# Altium PCB DC_DC.PcbDoc (continued)
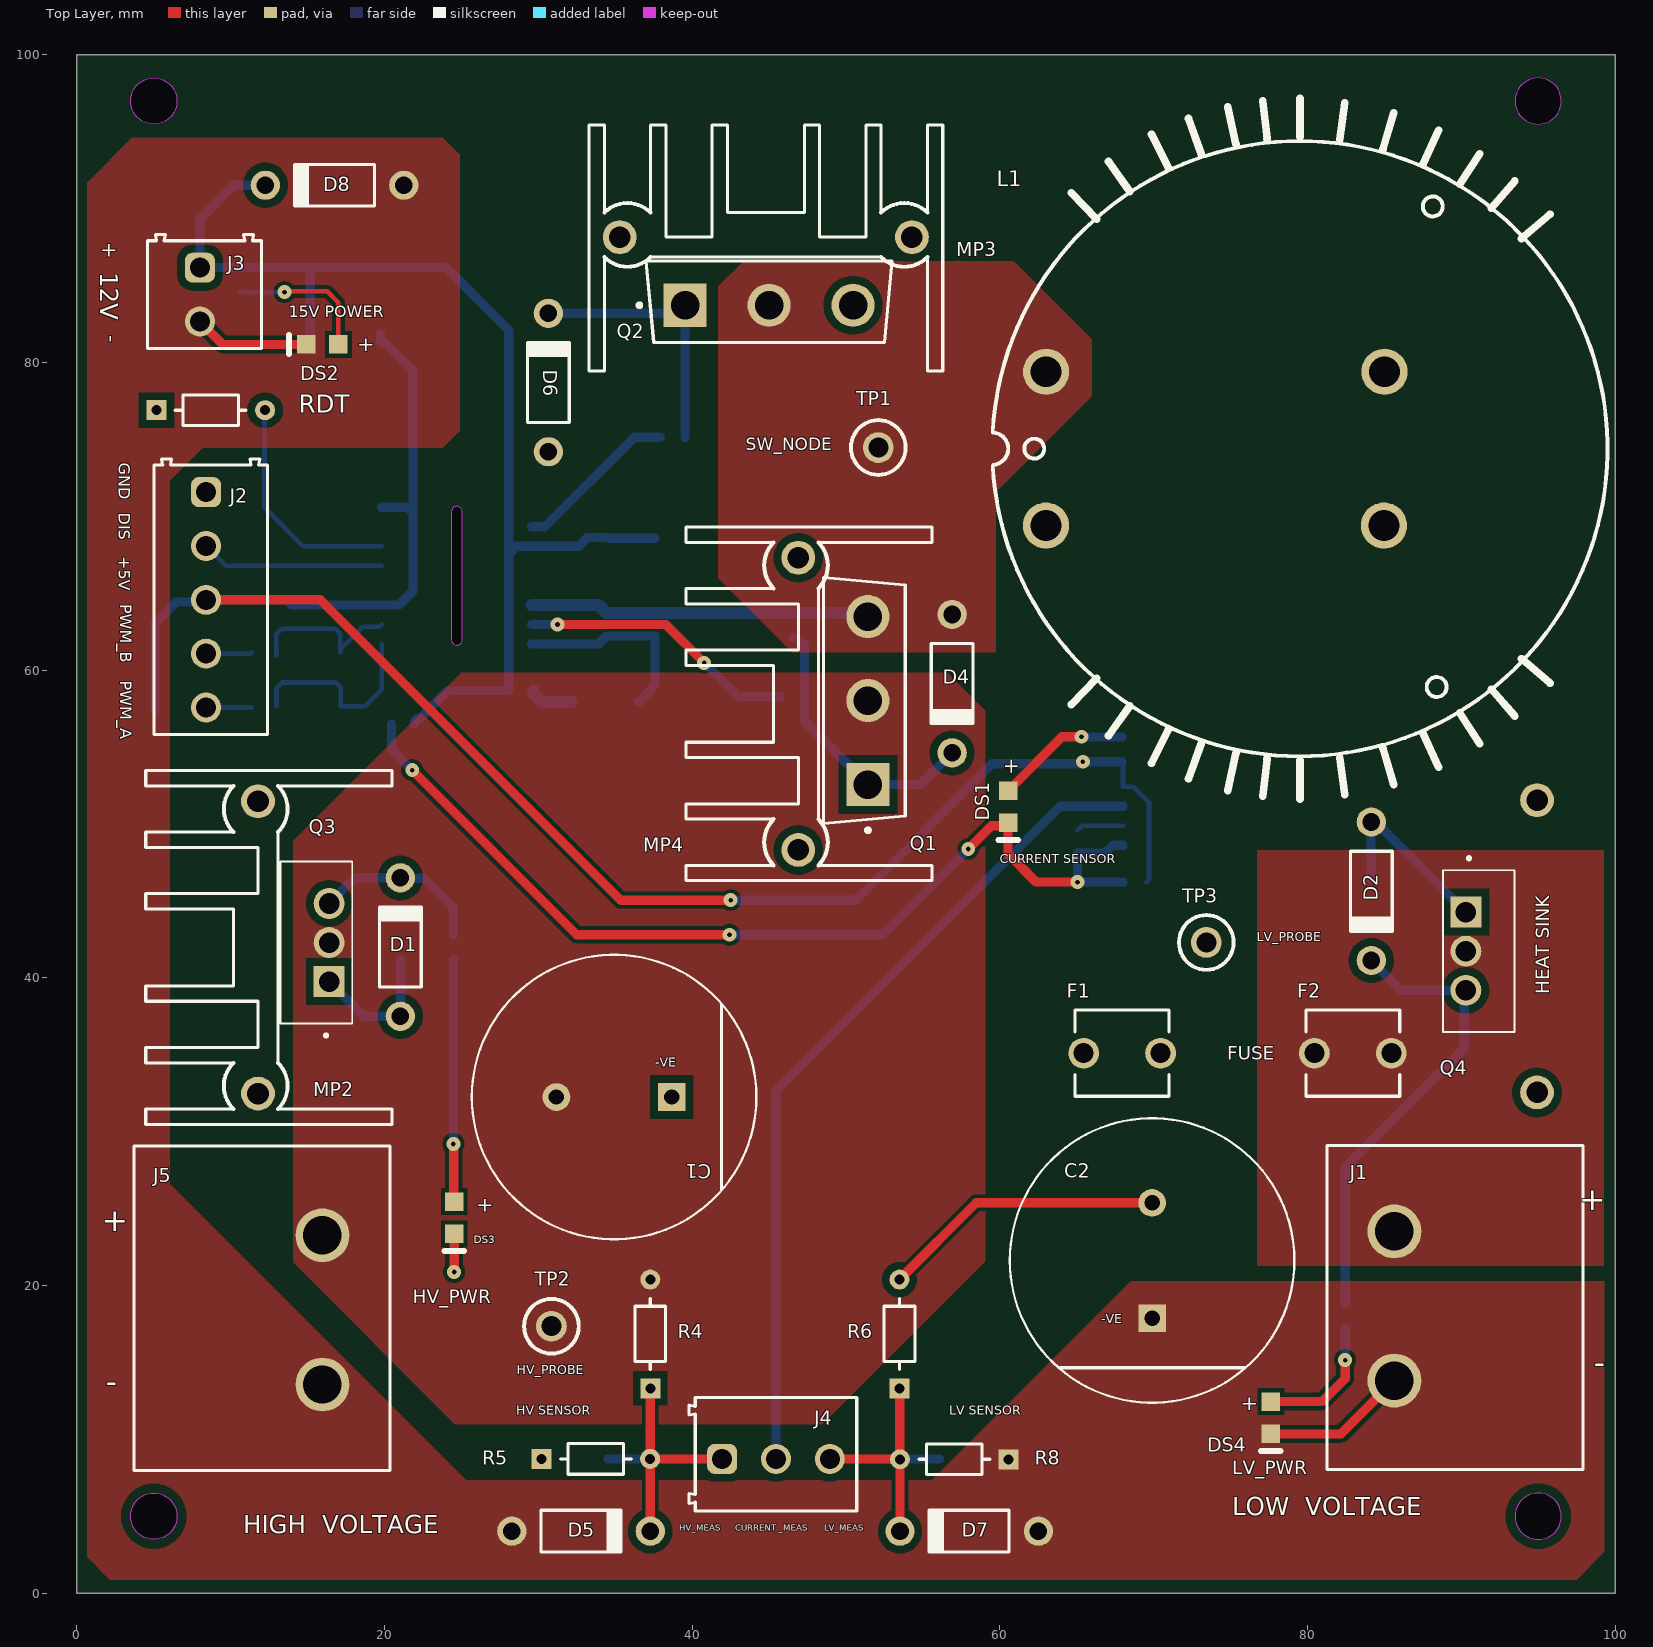
[diagram p0: Top Layer view]
## Components (designator, comment, footprint, x,y, rotation, side; value= is the part's Value field where it differs from the comment) (continued)
R9 "47K" FP-RC0805-0_6-IPC_C 38.725,78.325 r0 bottom
R10 "2.2K" FP-RC0805-0_6-IPC_C 67.95,54.85 r270 bottom
R11 "120" FP-RC0805-0_6-IPC_C 28.877,58.675 r180 bottom
R12 "120" FP-RC0805-0_6-IPC_C 12.175,61.175 r0 bottom
R13 "120" FP-RC0805-0_6-IPC_C 12.175,57.575 r0 bottom
R14 "7.5k" FP-RC0805-0_6-IPC_C 82.45,18.025 r90 bottom
R15 "47K" FP-RC0805-0_6-IPC_C 21.075,42 r270 bottom
R16 "47K" FP-RC0805-0_6-IPC_C 84.1,45.527 r90 bottom
R18 "7.k" FP-RC0805-0_6-IPC_C 10.8,85.375 r90 bottom
RDT "200K" PCBComponent_1#7 8.7,76.9 r0 top
TP1 "SW_NODE" PCBComponent_1#8 52.1,74.475 r0 top
TP2 "HV" PCBComponent_1#8 30.85,17.35 r0 top
TP3 "LV" PCBComponent_1#8 73.425,42.3 r0 top
U1 "ACS712ELCTR-30A-T" FP-LC-8-IPC_C 70.325,50.525 r180 bottom
U2 "UCC21520DW" FP-DW0016B-MFG 24.691,66.146 r0 bottom
U3 "L78M05CDT-TR" TO-252_L 17.45,77.65 r270 bottom

## Footprints (in the part's own frame and the unit in brackets; to place one, negate y for a bottom-side part, rotate by r counter-clockwise, add the part's x,y. Pads: shape width x height; smd on the part's side, far side on the other; paste and mask are expansions set on the pad)
691214110002 [mm] "3.50 mm Horizontal Entry Modular, 2p"
  rrect50% 1.95x1.95 hole 1.3: 1(-1.75,-0.3)
  round 1.95 hole 1.3: 2(1.75,-0.3)
  silkscreen extent -3.9,-3.7 3.5,3.7, body extent -3.95,-3.7 3.5,3.7, height 8.55
AVAG-HSMX-C170_V [mm] "SMD, 2-Leads, Body 2x1.25mm, Height 0.8mm"
  rect 1.2x1.2 smd: 1(-1.05,0) 2(1.05,0)
  silkscreen extent 2.15,-0.63 2.15,0.63, body extent -1,-0.63 1,0.63, height 0.8
DIOM4336X265N [mm]
  rect 2.28x2.12 smd: A(2.165,0) C(-2.165,0)
  silkscreen extent -4.1,-1.81 2.16,1.81, body extent -2.67,-1.81 2.67,1.81, height 2.65
FAIR-DO-41-2_V [mm] "2-Leads, Axial leaded, Body 2.72x5.2mm, Pin Spacing 9mm"
  round 1.9 hole 1.15: 1(-4.5,0) 2(4.5,0)
  silkscreen extent -2.6,-1.36 2.6,1.36, body extent -4.93,-1.36 4.93,1.36, height 2.71
FP-0751_0110-MFG [mm]
  round 2 hole 1.3 paste-2539.97 mask+0: 1(-2.5,0) 1(2.5,0)
  silkscreen extent -3.05,-2.8 3.05,2.8, body extent -3.6,-2.9 3.6,2.9, height 0.25
FP-C0805C-DN-MFG [mm]
  rect 0.95x1.35 smd paste+0 mask+0: 1(-0.75,0) 2(0.75,0)
  silkscreen extent -1.1,-1.07 1.1,1.07, body extent -1,-0.63 1,0.63, height 0.88
FP-DW0016B-MFG [mm]
  rrect17% 1.65x0.6 smd paste+0 mask+0: 1(-4.875,4.445) 2(-4.875,3.175) 3(-4.875,1.905) 4(-4.875,0.635) 5(-4.875,-0.635) 6(-4.875,-1.905) 7(-4.875,-3.175) 8(-4.875,-4.445) 9(4.875,-4.445) 10(4.875,-3.175) 11(4.875,-1.905) 12(4.875,-0.635) 13(4.875,0.635) 14(4.875,1.905) 15(4.875,3.175) 16(4.875,4.445)
  silkscreen extent -6.37,-5.25 3.5,5.25, body extent -5.15,-5.15 5.15,5.15, height 2.65
FP-LC-8-IPC_C [mm]
  rect 1.874x0.542 smd paste+0 mask+0: 1(-2.316,1.905)
  rrect100% 1.874x0.542 smd paste+0 mask+0: 2(-2.316,0.635) 3(-2.316,-0.635) 4(-2.316,-1.905) 5(2.316,-1.905) 6(2.316,-0.635) 7(2.316,0.635) 8(2.316,1.905)
  silkscreen extent -3.98,-2.45 0.88,2.45, body extent -3,-2.45 3,2.45, height 1.75
FP-PG-TO247-3-MFG [mm]
  rect 2.8x2.8 hole 1.85 paste-2539.97 mask+0: 1(-0.228,5.46)
  round 2.8 hole 1.85 paste-2539.97 mask+0: 2(-0.228,0) 3(-0.228,-5.46)
  silkscreen extent -2.66,-8 2.66,8.56, body extent -2.76,-8.16 2.76,8.16, height 0.25
FP-RAD-TH-D_18_0_5-L_31_5-MFG [mm]
  rect 1.8x1.8 hole 1 paste-2539.97 mask+0: 1(-3.75,0)
  round 1.8 hole 1 paste-2539.97 mask+0: 2(3.75,0)
  silkscreen extent -9.25,-9.25 9.25,9.25, body extent -9.35,-9.35 9.35,9.35, height 0.25
FP-RC0805-0_6-IPC_C [mm]
  rect 0.808x1.262 smd paste+0 mask+0: 1(-0.802,0) 2(0.802,0)
  silkscreen extent -1.21,-1.07 1.21,1.07, body extent -1,-0.63 1,0.63, height 0.6
PCBComponent_1#1 [mm]
  round 3.5 hole 2.5: 1(-4.85,0) 2(4.85,0)
  silkscreen extent -10.64,-12.25 10.44,4.38, body extent -10.61,-12.12 10.44,4.38, height 18.5
PCBComponent_1#2 [mm]
  rrect50% 1.95x1.95 hole 1.3: 1(-7,0)
  round 1.95 hole 1.3: 2(-3.5,0) 3(0,0) 4(3.5,0) 5(7,0)
  silkscreen extent -9.15,-3.4 8.75,4, body extent -8.76,-3.34 8.74,3.56, height 8.8
PCBComponent_1#3 [mm]
  rrect50% 1.95x1.95 hole 1.3: 1(-3.5,0)
  round 1.95 hole 1.3: 2(0,0) 3(3.5,0)
  silkscreen extent -5.65,-3.4 5.25,4, body extent -5.25,-3.23 5.25,3.67, height 8.8
PCBComponent_1#4 [mm]
  round 3 hole 2: 1(5,16.5) 2(5,-5.5) 3(-5,-5.461) 4(-5,16.51)
  silkscreen extent -22.77,-20 22.77,19.97, body extent -19,-19 19,18.97, height 19.29
PCBComponent_1#5 [mm]
  round 2.2 hole 1.4: 1(-9.5,0.7) 2(9.5,0.7)
  silkscreen extent -11.5,-8 11.5,8
PCBComponent_1#6 [mm]
  rect 2.01x2.01 hole 1.34: 1(-2.548,0.051)
  round 2.01 hole 1.34: 2(-0.008,0.051) 3(2.532,0.051)
  silkscreen extent -6.15,-1.45 5.25,3.21, body extent -5.18,-1.32 5.23,3.12, height 19.3
PCBComponent_1#7 [mm]
  rect 1.3x1.3 hole 0.65 paste-2539.97 mask+0: 1(-3.534,0)
  round 1.3 hole 0.65 paste-2539.97 mask+0: 2(3.534,0)
  silkscreen extent -2.3,-1 2.3,1, body extent -3.96,-1.1 3.96,1.1, height 0.25
PCBComponent_1#8 [mm]
  round 2 hole 1.3: 1(0,0)
  silkscreen extent -1.78,-1.78 1.78,1.78, body extent -1.15,-1.15 1.15,1.15, height 5
TO-252_L [mm] "D-PAK, 4-Leads, Body 6.1x6.5mm, Pitch 2.28mm, Lead Span 9.7mm, IPC High Density"
  rect 1.8x0.9 smd: 1(-4.2,2.28) 3(-4.2,-2.28)
  rect 6.2x5.45 smd: 4(2,0)
  silkscreen extent -4.32,-3.3 -1.5,3.4, body extent -2.05,-3.3 4.15,3.3, height 2.4

## Part data
C1 C2: library part CMP-05427-000720-1, "Aluminum Electrolytic Capacitors (Radial Lead Type) 330uF ±20% 160V", Capacitance=330uF, Case/Package=Radial, Leakage Current=3.178mA, Max Operating Temperature=105°C, Min Operating Temperature=-25°C, Package Quantity=50, Ripple Current=2.6A, Tolerance=20%, Voltage=160V, Construction=RADIAL, Contact Plating=Tin, Diameter=18mm, Dissipation Factor=0.15%, Height=31.5mm, Height - Seated (Max)=1.319inch, Lead Diameter=0.8mm, Lead Free="Lead Free", Lead Pitch=7.5mm, Length=31.5mm, Life (Hours)=10000Hour, Mount="Through Hole", Number of Pins=2, Packaging=Bulk, Polarity=Polar, Radiation Hardening=No, REACH SVHC="No SVHC", Ripple Current (AC)=2.6A, RoHS Compliant=Yes, Series=EE, Termination=Radial, Voltage Rating=160V, Voltage Rating (DC)=160V, Weight=0.01lb, Width=0.5inch
C3 C4 C5 C6 C7 C8 C9 C10 C11 C12 C13 C14 C15 C16 C17: library part CMP-1036-04552-2, "CAP CER 0.22UF 50V X7R 0805", Capacitance="0.22 μF", Manufacturer=KEMET, Manufacturer Part Number=C0805C224K5RACTU, Package=C0805C-DN, Temperature="-55°C to +125°C", Temperature Characteristic=X7R, Temperature Coefficient=30ppm/°C, Temperature Range High=+125°C, Temperature Range Low=-55°C, Tolerance=0.1, Voltage Rating="50 V", Automotive=No, Category=Cap, ComponentLink2Description=Datasheet, ComponentLink2URL=https://content.kemet.com/datasheets/KEM_C1003_C0G_SMD.pdf, Device Class L1="Passive Components", Device Class L2=Capacitors, Device Class L3="Ceramic Capacitors", Digikey Description="CAP CER 0.22UF 50V X7R 0805", Height=0.88mm, Ipc Land Pattern Name=CAPC200125X78, Lead Free=Yes, Material=Ceramic, Mouser Description="CAP CER 0.22UF 50V X7R 0805", Octopart=https://octopart.com/c0805c224k5ractu-kemet-144670, RoHS=TRUE
D1 D2 D4 D6 D8: library part CMP-0892-00005-1, "Zener Diode, 15V, 1W, 5%, -65 to 200 degC, 2-Pin DO-41, Body 2.72 x 5.2 mm, RoHS", Manufacturer="Fairchild Semiconductor", Operating and Storage Temperature Range="-65 to 200 degC", Test Current IZ (mA)=17, Tolerance=5%, ComponentLink1Description="Manufacturer URL", ComponentLink1URL=http://www.fairchildsemi.com/, ComponentLink2Description=Datasheet, ComponentLink2URL=http://www.fairchildsemi.com/ds/1N/1N4744A.pdf, ComponentLink3Description="Package Specification", ComponentLink3URL=http://www.fairchildsemi.com/dwg/DO/DO41A.pdf, DatasheetVersion="Rev. H3", IR (uA)=5, Mounting Technology="Through Hole", PackageDescription="2-Pin Axial leaded, Body 2.72 x 5.2 mm, Lead Spread 25.4 mm", PackageReference=DO-41-2, PackageVersion="Rev. 2", PartNumber=1N4744A, PD (W)=1, RoHS=TRUE, VZ (Max.) (V)=15.75, VZ (Min.) (V)=14.25, ZZ (Max) (ohm)=10
D3: Package=None, Availability=Unavailable, MF="{'manufacturer': u'Taiwan Semiconductor'}", MP=ES3GB, Price=None
D5 D7: library part CMP-0892-00028-1, "Zener Diode, 3.3V, 1W, 5%, -65 to 200 degC, 2-Pin DO-41, Body 2.72 x 5.2 mm, RoHS", Manufacturer="Fairchild Semiconductor", Operating and Storage Temperature Range="-65 to 200 degC", Test Current IZ (mA)=76, Tolerance=5%, ComponentLink1Description="Manufacturer URL", ComponentLink1URL=http://www.fairchildsemi.com/, ComponentLink2Description=Datasheet, ComponentLink2URL=http://www.fairchildsemi.com/ds/1N/1N4744A.pdf, ComponentLink3Description="Package Specification", ComponentLink3URL=http://www.fairchildsemi.com/dwg/DO/DO41A.pdf, DatasheetVersion="Rev. H3", IR (uA)=100, Mounting Technology="Through Hole", PackageDescription="2-Pin Axial leaded, Body 2.72 x 5.2 mm, Lead Spread 25.4 mm", PackageReference=DO-41-2, PackageVersion="Rev. 2", PartNumber=1N4728A, PD (W)=1, RoHS=TRUE, VZ (Max.) (V)=3.465, VZ (Min.) (V)=3.135, ZZ (Max) (ohm)=10
DS1 DS2 DS3 DS4: library part CMP-2000-05062-1, "Chip LED, Green, 2.2 V, -40 to 85 degC, 2-Pin SMD, Pb-Free, Tape and Reel", Forward Current If=20mA, Forward Voltage=2.2V, Forward Voltage VF Max=2.6V, LED Colour=Green, Manufacturer=Avago, Operating Temperature Max=85degC, Operating Temperature Min=-30degC, Operating Temperature Range=-30degCto+85degC, Opto Case Style=SMD, Package Description="2-Pin Surface Mount Device, Body 2 x 1.25 mm, Height 0.8 mm", Package Reference=HSMX-C170, Storage Temperature Min=-40degC, Bulb Size=1.25mmx1.4mm, Datasheet URL=https://datasheet.ciiva.com/29280/180495-da-01-en-chip-led-hsmg-c170-gelb-gruen-29280971.pdf, Datasheet Version=Oct-08, Dominant Wavelength=572nm, Dominant Wavelength Typ=572nm, External Depth=0.8mm, External Length / Height=2mm, External Width=1.25mm, Forward Current If Max=20mA, LED Mounting=SMD, LED Type=Standard, Lens Shape=Rectangular, Light Area Height=1mm, Luminous Intensity=15mcd, Luminous Intensity Min=4mcd, Luminous Intensity Typ=15mcd, Manufacturer URL=http://www.avagotech.com/, Mounting Type=SMD, MSL=MSL2A-4weeks, No. of Pins=2, Opto Mounting Orientation=Top, Packaging=CutTape, Peak Forward Current=20mA, Peak Wavelength=570nm, PIV Max=5V, Storage Temperature Max=85degC, SVHC=NoSVHC(16-Jun-2014), Viewing Angle=170deg, Voltage Vf Typ=2.2V, Wavelength Typ=570nm
F1 F2: library part CMP-26292-000006-1, "FUSE CLIP CARTRIDGE 10A PCB", Ambient Temperature Range High=+85°C, Ambient Temperature Range Low=-40°C, Fuse Current=10A, Manufacturer=Schurter, Package=0, Voltage Rating Ac=500V, Automotive=No, Category=Fuse, ComponentLink2Description=Datasheet, ComponentLink2URL=https://us.schurter.com/bundles/snceschurter/epim/_ProdPool_/newDS/en/typ_OG__Clip__5x20.pdf, Conn Orientation=Horizontal, Device Class L1="Circuit Protection", Device Class L2="Fuse Holders", Device Class L3=unset, Digikey Description="FUSE CLIP CARTRIDGE 10A PCB", Height=8.9mm, Lead Free=Yes, Manufacturer Part Number=0751.0110, Number Of Fuses=1, Octopart=https://octopart.com/0751.0110-schurter-19402, RoHS=TRUE, Voltage Rating Dc=500V
J3: library part CMP-1502-02464-2, Color="Blue, Green", Current=10A, Max Operating Temperature=105°C, Min Operating Temperature=-40°C, Voltage=300V, Contact Material=Brass, Contact Plating="Brass, Tin", Current Rating=10A, Height=8.7mm, Housing Material=Nylon, Lead Pitch=3.5mm, Length=7.4mm, Mount="Through Hole", NexarPartId=18818288, Number of Contacts=2, Number of Levels=1, Number of Pins=2, Number of Positions Per Level=2, Number of Rows=1, Packaging=Box, Pitch=3.5052mm, Plating="Brass, Steel", REACH SVHC=Unknown, RoHS=Compliant, Stripping Length=-6mm, Termination=Screw, Voltage Rating=300V, Width=7.9mm, Wire Gauge (Max)=24AWG, Wire Gauge (Min)=16AWG, Wire/Cable Gauge=24AWG
L1: library part T60405-R6123-X425, Datasheet=https://eu.mouser.com/datasheet/2/599/6123-X425-240794.pdf
Q1 Q2: library part CMP-32901-000878-1, "MOSFET N-CH 200V 65A TO247AC", Case/Package=TO-247, Continuous Drain Current (ID)=65A, Drain to Source Voltage (Vdss)=200V, Gate to Source Voltage (Vgs)=30V, Input Capacitance=4.6nF, Max Operating Temperature=175°C, Max Power Dissipation=330W, Min Operating Temperature=-40°C, Threshold Voltage=5V, Contact Plating=Tin, Element Configuration=Single, Halogen Free="Not Halogen Free", Height=0.815inch, Lead Free="Lead Free", Length=0.625inch, Max Dual Supply Voltage=200V, Mount="Through Hole", Number of Pins=3, Packaging=Rail/Tube, Power Dissipation=330W, Rds On Max=25mR, REACH SVHC="No SVHC", RoHS Compliant=Yes, Series=HEXFET®, Turn-On Delay Time=33ns, Width=0.209inch
R1 R7: library part CMP-2100-03668-5, "RES 33 OHM 1% 1/8W 0805", Case Code (Imperial)=0805, Case Code (Metric)=2012, Max Operating Temperature=155°C, Max Power Dissipation=125mW, Min Operating Temperature=-55°C, Package Quantity=1, Resistance=100kR, Resistance Tolerance=1%, Resistor Type="Thick Film", Temperature Coefficient=100ppm/°C, Voltage Rating=150V, Case/Package=0805, Construction=Rectangular, Depth=1.25mm, Features="Moisture Resistant", Height=0.024inch, Lead Free="Lead Free", Lead Pitch=0.4mm, Length=0.079inch, Military Standard=Not, Number of Pins=2, Number of Terminations=2, Packaging="Tape and Reel", Power Rating=125mW, RoHS Compliant=Yes, Series=RC, Size Code=0805, Technology="THICK FILM", Termination=SMD/SMT, Tolerance=1%, Voltage Rating (DC)=150V, Width=0.049inch
R2 R10 R11 R12 R13 R14 R18: library part CMP-2100-03668-5, "RES 100K OHM 1% 1/8W 0805", Case Code (Imperial)=0805, Case Code (Metric)=2012, Max Operating Temperature=155°C, Max Power Dissipation=125mW, Min Operating Temperature=-55°C, Package Quantity=1, Resistance=100kR, Resistance Tolerance=1%, Resistor Type="Thick Film", Temperature Coefficient=100ppm/°C, Voltage Rating=150V, Case/Package=0805, Construction=Rectangular, Depth=1.25mm, Features="Moisture Resistant", Height=0.024inch, Lead Free="Lead Free", Lead Pitch=0.4mm, Length=0.079inch, Military Standard=Not, Number of Pins=2, Number of Terminations=2, Packaging="Tape and Reel", Power Rating=125mW, RoHS Compliant=Yes, Series=RC, Size Code=0805, Technology="THICK FILM", Termination=SMD/SMT, Tolerance=1%, Voltage Rating (DC)=150V, Width=0.049inch
R3 R9 R15 R16: library part CMP-2100-03668-5, "RES 47K OHM 1% 1/8W 0805", Case Code (Imperial)=0805, Case Code (Metric)=2012, Max Operating Temperature=155°C, Max Power Dissipation=125mW, Min Operating Temperature=-55°C, Package Quantity=1, Resistance=100kR, Resistance Tolerance=1%, Resistor Type="Thick Film", Temperature Coefficient=100ppm/°C, Voltage Rating=150V, Case/Package=0805, Construction=Rectangular, Depth=1.25mm, Features="Moisture Resistant", Height=0.024inch, Lead Free="Lead Free", Lead Pitch=0.4mm, Length=0.079inch, Military Standard=Not, Number of Pins=2, Number of Terminations=2, Packaging="Tape and Reel", Power Rating=125mW, RoHS Compliant=Yes, Series=RC, Size Code=0805, Technology="THICK FILM", Termination=SMD/SMT, Tolerance=1%, Voltage Rating (DC)=150V, Width=0.049inch
R4 R5 R6 R8 RDT: library part RES
TP1 TP2 TP3: library part TP, "Test Point, Miniature, Red, TH"
U1: library part CMP-2000-04990-2, "SENSOR CURRENT HALL 30A AC/DC", Case/Package=SOIC, Current Sensing=30A, Frequency=80kHz, Max Operating Temperature=85°C, Max Supply Current=13mA, Max Supply Voltage=5.5V, Min Operating Temperature=-40°C, Min Supply Voltage=4.5V, Operating Supply Voltage=5V, Output Current=10mA, Package Quantity=1, Accuracy=1.5%, Bandwidth=80kHz, Lead Free="Lead Free", Linearity=1.5%, Mount="Surface Mount", Number of Channels=1, Number of Pins=8, Packaging="Cut Tape", Polarity=Bidirectional, Quiescent Current=10mA, REACH SVHC="No SVHC", Response Time=5us, RoHS Compliant=Yes, Sensitivity=66mV/A, Series=-, Termination=SMD/SMT
U2: library part CMP-04912-000047-1, "DGTL ISO 5.7KV GATE DRVR 16SOIC", Case/Package=SOIC, Max Operating Temperature=125°C, Max Output Current=6A, Max Supply Voltage=25V, Min Operating Temperature=-40°C, Min Supply Voltage=6.5V, Working Voltage=2.121kV, Lead Free="Lead Free", Number of Channels=2, Number of Pins=16, REACH SVHC="No SVHC"
U3: library part CMP-0244-00178-1, "Positive Voltage Regulator, 5V, 3-Pin DPAK, Tape and Reel", ComponentLink1Description="Manufacturer URL", ComponentLink1URL=http://www.st.com, ComponentLink2Description=Datasheet, ComponentLink2URL=http://www.st.com/internet/com/TECHNICAL_RESOURCES/TECHNICAL_LITERATURE/DATASHEET/CD00000447.pdf, DatasheetVersion=1/11/2010, PackageDescription="3-Pin Transistor Outline Package 2.28 mm Pitch, 9.7 mm Lead Span (DPAK)", PackageReference=TO-252, PackageVersion=2011

## Free pads (board coordinates)
  round 2.2 hole 1.4: 2(94.925,51.55) 3(94.925,32.55)

## Via types
v1: diameter 0.9, hole 0.3, Top Layer to Bottom Layer, tented both sides, 13 vias

## Nets (pads, with @x,y where several pads share a name; then routed paths per layer and width w, separated by ;. In a path a pad name is that pad's centre, name@x,y a point inside that pad or via, vN(x,y) a via of type N, cw(c..) or ccw(c..) an arc to the next point about the centre after c; other vN are vias at no path point)
CONNECTOR: F2.1 J1.2 Q4.2
CURRENT_MEASU: J4.2 U1.7 | length 54.2
  Bottom Layer w0.6: J4.2 45.45,32.675 63.935,51.16 U1.7
DIS: J2.2 U2.5 | length 12
  Bottom Layer w0.3: J2.2 9.694,66.781 U2.5
DT: C7.1 RDT.2 U2.6 | length 15
  Bottom Layer w0.3: RDT.2 12.2,76.866 12.2,70.55 14.699,68.051 C7.1 U2.6
GATE_H: D4.2 Q1.1 R1.1 R3.2 | length 18
  Bottom Layer w0.6: R3.2 46.787,62.117 47.299,61.605 R1.1 47.299,56.69 Q1.1 54.84,52.565 D4.2
GATE_L: D6.2 Q2.1 R7.1 R9.2 | length 17.7
  Bottom Layer w0.6: D6.2 39.018,83.2 Q2.1@39.527,83.709 ; R7.1 R9.2 Q2.1@39.527,83.709 ; Q2.1 Q2.1@39.527,83.709
GND_5V: C3.2 C4.2 C5.2 C6.1 C7.2 C12.2 C13.2 C14.2 C15.2 DS1.2 J2.1 RDT.1 U1.5 U2.4 U3.4 | length 64.5
  Top Layer w0.6: v1(21.8,53.5) 32.5,42.8 v1(42.425,42.8) ; v1(57.95,48.375) 59.455,49.88 DS1.2@60.238,49.88 ; DS1.2 60.538,48.037 62.35,46.225 v1(65.05,46.225)
  Bottom Layer w0.6: C5.2 20.456,56.494 20.456,54.844 v1(21.8,53.5) ; v1(42.425,42.8) 52.375,42.8 v1(57.95,48.375) ; C4.2@65.054,48.1 C4.2 v1(65.05,46.225) C3.2 C3.2@68,46.216 ; C4.2@65.25,48.1 66.823,48.1 67.343,48.62 U1.5
HV_MEAS: C16.1 D5.2 J4.1 R4.1 R5.2 | length 16.7
  Top Layer w0.6: D5.2 37.272,4.028 D5.2@37.272,4.528 ; D5.2@37.275,4.525 D5.2@37.272,4.528 ; R4.1 37.272,13.313 37.272,8.728 R5.2 ; J4.1 R5.2 ; R5.2 37.272,8.721 D5.2@37.272,4.528
  Bottom Layer w0.6: C16.1 R5.2
HV_SIDE: C1.2 J5.1 Q1.2 Q3.2 R4.2 TP2.1
INA: C13.1 R13.2 U2.1 | length 12.9
  Bottom Layer w0.3: R13.2@12.977,57.65 12.977,58.827 13.35,59.2 16.825,59.2 17.15,58.875 C13.1 18.738,57.65 19.816,58.728 U2.1
INB: C12.1 R12.2 U2.2 | length 10.7
  Bottom Layer w0.3: R12.2@12.952,61.15 12.952,62.327 13.325,62.7 16.8,62.7 17.125,62.375 17.125,61.15 C12.1 17.15,61.375 18.596,62.821 19.666,62.821 U2.2 ; R12.2@12.977,60.948 R12.2
LV_MEAS: C17.1 D7.2 J4.3 R6.1 R8.2 | length 16.4
  Top Layer w0.6: J4.3 48.962,8.712 R8.2@53.494,8.712 ; R6.1 53.491,13.3 53.491,8.716 R8.2@53.494,8.712 ; D7.2 R8.2 R8.2@53.494,8.712
  Bottom Layer w0.6: R8.2 53.519,8.712 56.062,8.712 C17.1
LV_SIDE: C2.2 F1.1 R6.2 TP3.1 U1.3 U1.4 | length 18.5
  Top Layer w0.6: R6.2 58.466,25.375 C2.2
MCP+ve: L1.2 U1.1 U1.2
NetC4_1: C4.1 U1.6 | length 3.1
  Bottom Layer w0.3: C4.1 65.34,49.89 U1.6
NetD1_1: D1.1 Q3.1 R15.2 | length 9.2
  Bottom Layer w0.6: Q3.1 18.653,37.5 D1.1 ; D1.1@21.05,37.525 R15.2@21.05,41.173
NetD1_2: D1.2 Q3.3 R2.2 | length 11.3
  Bottom Layer w0.6: Q3.3 18.068,46.5 D1.2 21.05,46.475 22.55,46.475 24.475,44.55 R2.2
NetD2_1: D2.1 Q4.1 R16.2 | length 12.3
  Bottom Layer w0.6: R16.2@84.125,46.354 D2.1@84.125,50.102 ; D2.1 84.446,50.127 Q4.1
NetD2_2: D2.2 Q4.3 R14.2 | length 30.6
  Bottom Layer w0.6: R14.2 82.45,27.7 90.187,35.437 90.187,39.079 Q4.3 86.084,39.192 D2.2
NetD3_A: D3.A R11.1 | length 2.9
  Bottom Layer w0.8: R11.1 29.679,58.448 30.202,57.925 32.12,57.925 D3.A
NetDS1_1: DS1.1 R10.1 | length 8.9
  Top Layer w0.6: DS1.1 64.038,55.67 v1(65.313,55.67)
  Bottom Layer w0.6: v1(65.313,55.67) 65.331,55.652 R10.1
NetDS2_1: DS2.1 R18.1 | length 9.2
  Top Layer w0.3: v1(13.5,84.575) 13.55,84.625 16.275,84.625 17,83.9 DS2.1
  Bottom Layer w0.3: R18.1@10.55,84.573 R18.1@10.551,84.574 ; R18.1 10.801,84.574 v1(13.5,84.575) v1(13.5,84.575) ; v1@13.449,84.574 v1@13.45,84.573
NetDS3_1: DS3.1 R2.1 | length 15.8
  Top Layer w0.6: v1(24.475,29.2) 24.5,29.175 24.5,25.475 DS3.1
  Bottom Layer w0.6: v1(24.475,29.2) R2.1
NetDS4_1: DS4.1 R14.1 | length 8.8
  Top Layer w0.6: DS4.1 80.95,12.45 82.45,13.95 v1(82.45,15.15) v1@82.393,15.093
  Bottom Layer w0.6: v1(82.45,15.15) R14.1
OUTA: R1.2 U2.15 | length 18
  Top Layer w0.6: v1@31.333,62.925 31.379,62.971 38.279,62.971 v1(40.775,60.475)
  Bottom Layer w0.6: U2.15 v1@31.221,62.971 ; v1(40.775,60.475) 42.958,58.292 R1.2
  other v1: 31.244,62.971
OUTB: R7.2 U2.10 | length 10.8
  Bottom Layer w0.6: U2.10 30.421,69.321 36.25,75.15 R7.2
PWM_A: J2.5 R13.1 | length 3
  Bottom Layer w0.3: J2.5 R13.1
PWM_B: J2.4 R12.1 | length 3
  Bottom Layer w0.3: J2.4 11.273,61.075 R12.1
VCCI: C3.1 C6.2 C14.1 C15.1 J2.3 R10.2 U1.8 U2.3 U2.8 U3.3 | length 123.8
  Top Layer w0.6: J2.3 15.825,64.575 35.35,45.05 v1(42.5,45.05)
  Bottom Layer w0.3: R10.2 68.009,53.989 U1.8 68.675,52.43 69.7,51.405 69.7,46.416 C3.1
  Bottom Layer w0.6: C14.1 C15.1 5.075,63.05 6.45,64.425 J2.3@8.25,64.425 ; J2.3@7.65,64.575 J2.3@7.659,64.566 ; J2.3 13.65,64.575 13.984,64.241 U2.3 20.941,64.241 21.85,65.15 21.85,70.24 ; U3.3 19.73,81.4 19.88,81.25 20.05,81.25 21.85,79.45 21.85,70.24 ; U2.8 21.499,70.591 21.85,70.24 ; v1(42.5,45.05) 50.625,45.05 59.495,53.92 65.058,53.92 65.13,53.993 65.416,53.993 v1@65.477,53.931 ; v1(65.4,54.05) 65.401,54.049 R10.2 R10.2
VDD: C5.1 C10.1 C11.1 D8.2 J3.1 R11.2 R18.2 U2.11 U3.1 | length 75.2
  Bottom Layer w0.6: J3.1 8,86.169 8,89.325 10.2,91.525 D8.2 ; J3.1@8.008,86.177 R18.2@10.55,86.177 ; R18.2 R18.2@10.55,86.177 ; U3.1 15.17,86.132 15.125,86.177 ; C5.1 21.95,56.7 22.125,56.875 22.325,56.875 24.125,58.675 R11.2 28.075,67.55 ; C10.1@37.575,68.571 C11.1 34.571,68.625 33.2,68.625 32.626,68.051 U2.11 28.576,68.051 28.075,67.55 ; R18.2@10.55,86.177 15.125,86.177 ; 15.125,86.177 23.998,86.177 28.075,82.1 28.075,67.55
VDDA: C8.1 C9.1 D3.C U2.16 | length 13
  Bottom Layer w0.6: U2.16 33.905,61.701 34.425,62.221 C8.1 C9.1 37.575,59.05 37.315,58.79 37.315,58.71 36.555,57.95 D3.C
VSSA: C8.2 C9.2 D4.1 L1.1 Q1.3 Q2.2 R3.1 TP1.1 U2.14 | length 22.2
  Bottom Layer w0.8: U2.14 33.905,64.241 34.425,63.721 C9.2 R3.1 46.564,63.717 51.193,63.717 Q1.3
VSSB: C1.1 C2.1 C10.2 C11.2 C16.2 C17.2 D5.1 D6.1 D7.1 D8.1 DS2.2 DS3.2 DS4.2 J1.1 J3.2 J5.2 Q2.3 R5.1 R8.1 R9.1 R15.1 R16.1 U2.9 | length 19.5
  Top Layer w0.6: J3.2 9.486,81.175 DS2.2 ; v1(24.525,20.875) DS3.2 ; DS4.2 82.184,10.35 J1.1
pads on no net: L1.3 L1.4 MP2.1 MP2.2 MP3.1 MP3.2 MP4.1 MP4.2 U2.7 U2.12 U2.13

## Polygon pours and split planes (outlines as drawn)
LV_SIDE on Bottom Layer "NONET_L-01_P-001" (solid, pour order 7): 60.3,44.075 60.3,21.325 76.075,21.325 76.075,50.175 71.025,50.175 71.025,44.075
VSSB on Bottom Layer "NONET_L-01_P-001" (solid, pour order 1): 0.75,2.275 0.75,49.15 21.7,49.15 28.65,56.1 28.65,85.475 29.575,86.4 54.9,86.4 58.975,82.325 58.975,20.125 82.25,20.125 82.25,51.2 84.7,53.65 97.75,53.65 99.45,51.95 99.45,0.95 2.075,0.95
GND_5V on Bottom Layer "NONET_L-01_P-001" (solid, pour order 13): 19.704,54 1.75,54 0.7,55.05 0.7,78.525 1.9,79.725 20.4,79.725 21.275,78.85 21.275,55.571
MCP+ve on Bottom Layer "NONET_L-01_P-001" (solid, pour order 10): 71.225,50.9 80.975,50.9 84.4,54.325 99.075,54.325 99.075,90.725 71.225,90.725
VSSB on Top Layer "NONET_L-01_P-001" (solid, pour order 15): 24.875,91.825 24.875,93.5 23.775,94.6 3.575,94.6 0.675,91.7 0.675,2.35 2.15,0.875 97.5,0.875 99.3,2.675 99.3,20.275 68.5,20.275 55.575,7.35 25.3,7.35 6.025,26.625 6.025,72.325 8.175,74.475 23.775,74.475 24.875,75.575
HV_SIDE on Top Layer "NONET_L-01_P-001" (solid, pour order 12): 56.575,59.825 24.975,59.825 14.05,48.9 14.05,21.5 24.575,10.975 48.45,10.975 59.05,21.575 59.05,57.35
VSSA on Top Layer "NONET_L-01_P-001" (solid, pour order 9): 46.512,61.15 59.75,61.15 59.75,71.575 65.975,77.8 65.975,81.525 60.9,86.6 43.35,86.6 41.7,84.95 41.7,65.962
CONNECTOR on Top Layer "NONET_L-01_P-001" (solid, pour order 14): 76.725,21.275 99.275,21.275 99.275,48.3 76.725,48.3

## Silkscreen, mask and mechanical layers (free items; w line width, h text height)
Top Overlay:
  text "+" at 1.525,86.883 h1
  text "12V" at 1.125,85.875 h2 r270
  text "15V POWER" at 13.775,82.692 h1.3
  text "-" at 2.575,81.3 h1 r90
  text "+" at 18.225,80.733 h1
  text "SW_NODE" at 43.475,74.021 h1.4
  text "GND" at 2.475,73.5 h1.3 r270
  text "DIS" at 2.45,70.225 h1.3 r270
  text "+5V" at 2.45,67.4 h1.3 r270
  text "PWM_B" at 2.575,64.3 h1.3 r270
  text "PWM_A" at 2.575,59.325 h1.3 r270
  text "+" at 61.18,53.17 h1 r90
  text "CURRENT SENSOR" at 60,47.263 h1
  text "LV_PROBE" at 76.7,42.19 h1
  text "HEAT SINK" at 96,38.925 h1.5 r90
  text "FUSE" at 74.775,34.394 h1.5
  text "-VE" at 37.6,34.225 h0.6
  text "+" at 99.4,24.9 h1.5
  text "+" at 25.975,24.783 h1
  text "+" at 1.625,23.525 h1.5
  text "HV_PWR" at 21.85,18.55 h1.5
  text "-VE" at 66.6,17.55 h0.6
  text "-" at 99.375,14.25 h1.5
  text "-" at 2.625,14.175 h1.5 r180
  text "HV_PROBE" at 28.6,14.025 h1
  text "+" at 75.675,11.883 h1
  text "HV SENSOR" at 28.55,11.388 h1
  text "LV SENSOR" at 56.725,11.388 h1
  text "LV_PWR" at 75.125,7.425 h1.5
  text "LOW  VOLTAGE" at 75.1,4.675 h2
  text "HV_MEAS" at 39.175,3.9 h0.7
  text "CURRENT _MEAS" at 42.8,3.9 h0.7
  text "LV_MEAS" at 48.6,3.9 h0.7
  text "HIGH  VOLTAGE" at 10.8,3.5 h2
Bottom Overlay:
  text "BIDIRECTIONAL DC-DC CONVERTER" at 88.05,93.925 h5.5
  text "HV MAX: 100 V/ 7 A" at 91.325,89.3 h2.5
  text "LV MAX: 70 V/ 10 A" at 91.125,85.3 h2.5
Mechanical 1:
  pour cut-out: 93.5,5 ccw(c95,5) 95,3.5 ccw(c95,5) 96.5,5 ccw(c95,5) 95,6.5 ccw(c95,5)
  lines w0.5: 0,0 0,100 100,100 100,0 0,0